# Altium PCB ActuatorControl_Board_v30.PcbDoc (part 3 of 3)
Units mil, origin at the board's own origin, x right, y up, seen from the top; angles counter-clockwise.
Board outline 3947.73 x 3947.73 mil, 2 copper layers (Top Layer, Bottom Layer); 150 components, 98 nets, 452 pads, 1502 vias.
Unrouted connection lines stored in the file: 26.
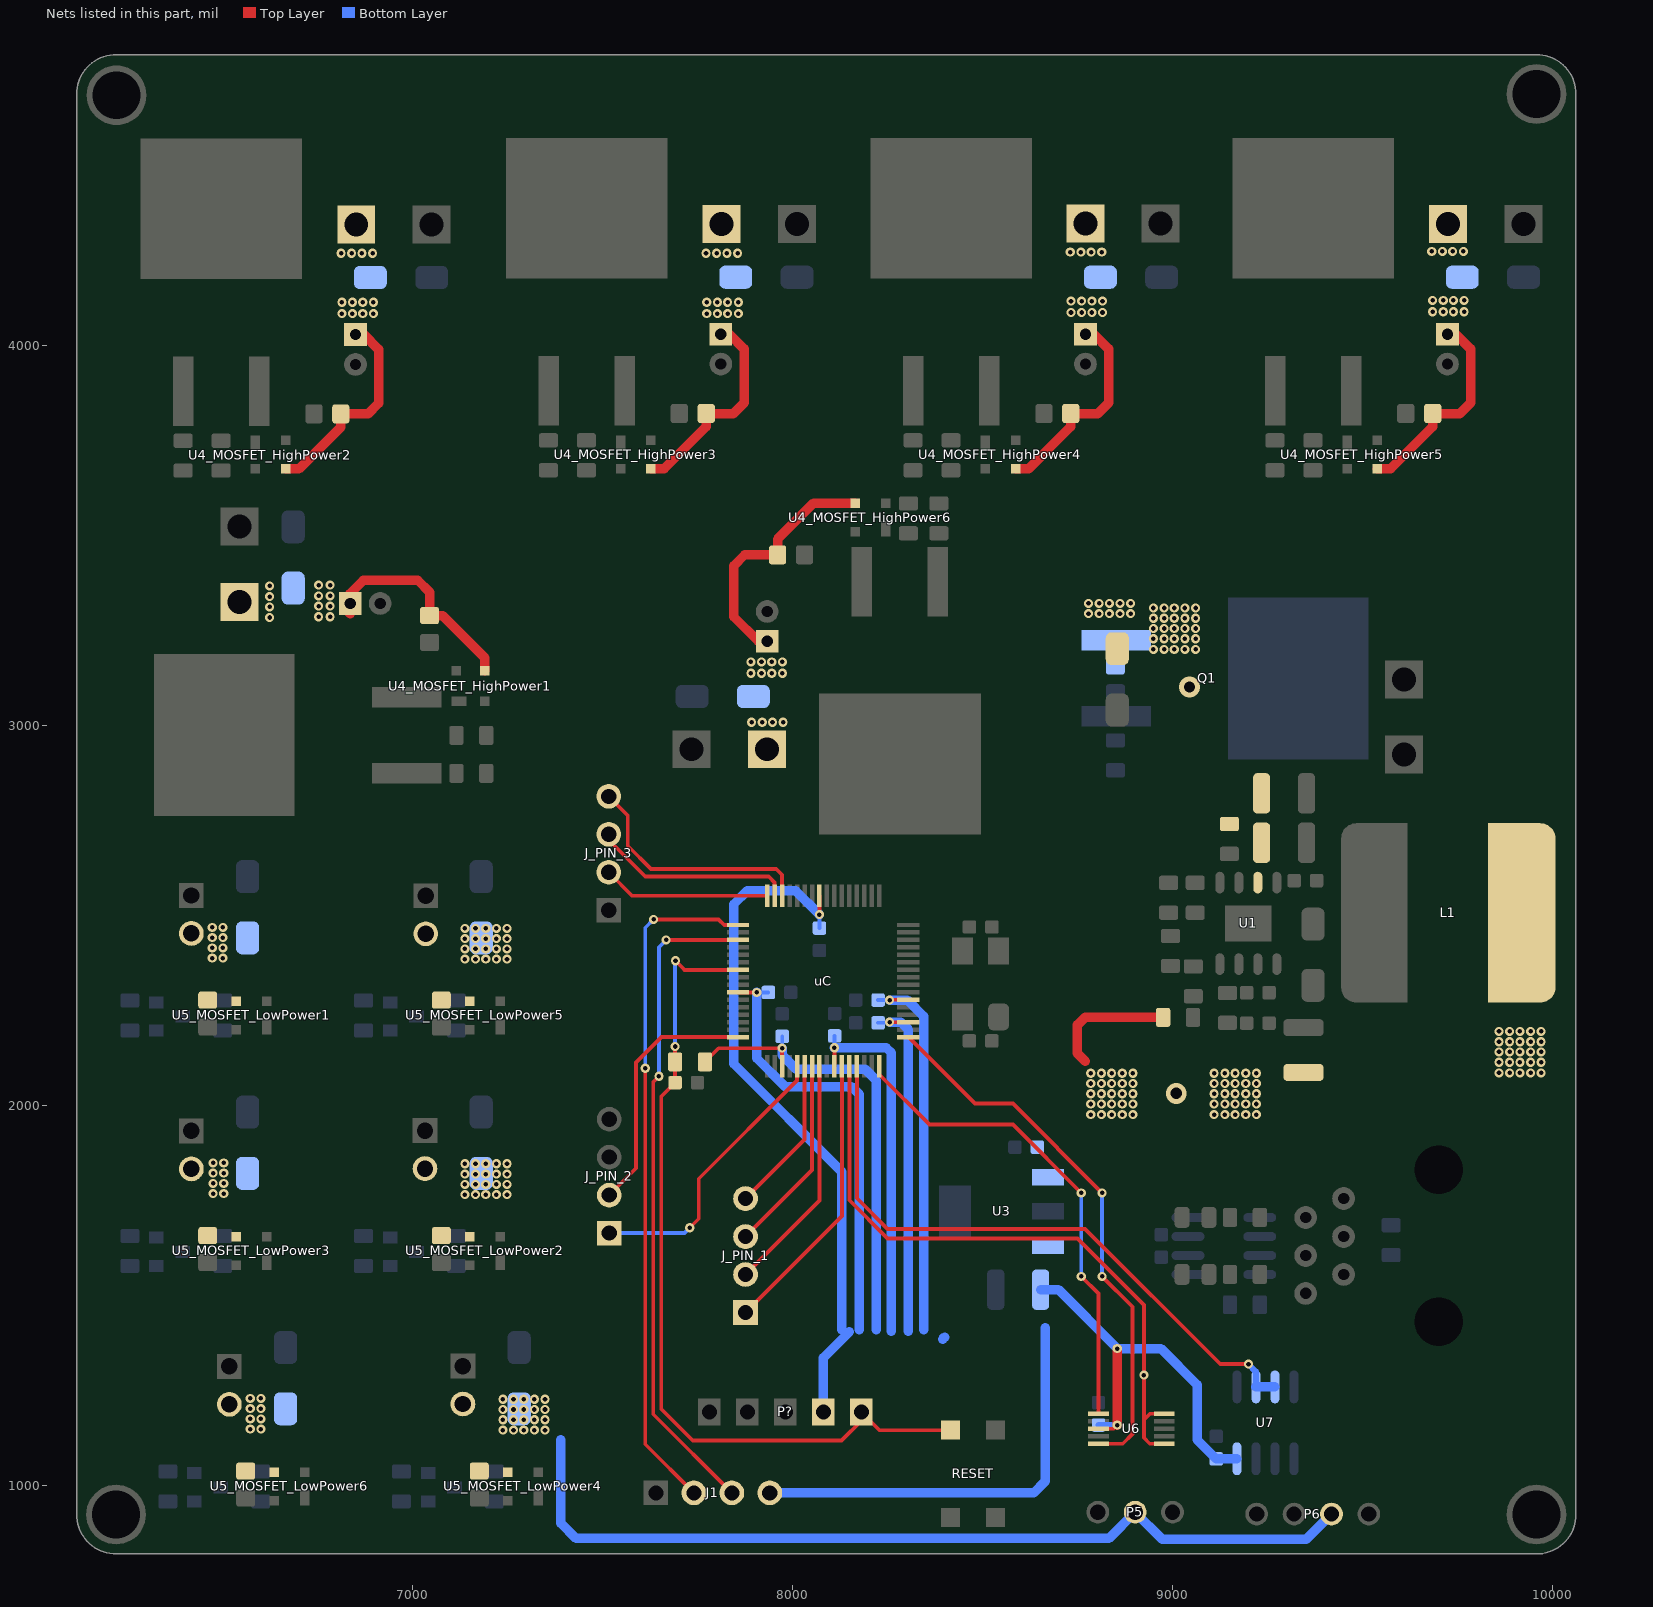
[diagram p3: the nets of this part, all layers, seen from the top]

## Via types
v1: diameter 24, hole 12, Top Layer to Bottom Layer, tented both sides, 1324 vias
v2: diameter 55, hole 30, Top Layer to Bottom Layer, tented both sides, 176 vias
v3: diameter 50, hole 30, Top Layer to Bottom Layer, 2 vias

## Nets (pads, with @x,y where several pads share a name; then routed paths per layer and width w, separated by ;. In a path a pad name is that pad's centre, name@x,y a point inside that pad or via, vN(x,y) a via of type N, cw(c..) or ccw(c..) an arc to the next point about the centre after c; other vN are vias at no path point) (continued)
PIN_16: J_PIN_2.2 uC.16 | length 674.3
  Top Layer w10: J_PIN_2.2@7517,1764 7588,1835 7588,2113 7655,2180 uC.16@7856.18,2180
PIN_21: J_PIN_2.1 uC.21 | length 763
  Top Layer w10: v1(7729,1678) 7753,1702 7753,1807 8011.69,2065.69 uC.21@8011.69,2103.23
  Bottom Layer w10: J_PIN_2.1@7519,1662 J_PIN_2.1@7517,1664 7715,1664 v1(7729,1678)
PIN_22: J_PIN_1.4 uC.22 | length 412.6
  Top Layer w10: J_PIN_1.4@7876,1755 8031.38,1910.38 uC.22@8031.38,2103.23
PIN_23: J_PIN_1.3 uC.23 | length 520.7
  Top Layer w10: J_PIN_1.3@7876,1655 8051.06,1830.06 uC.23@8051.06,2103.23
PIN_24: J_PIN_1.2 uC.24 | length 628.9
  Top Layer w10: J_PIN_1.2@7876,1555 8070.75,1749.75 uC.24@8070.75,2103.23
PIN_27: J_PIN_1.1 uC.27 | length 753.4
  Top Layer w10: J_PIN_1.1@7876,1455 8129.8,1708.8 uC.27@8129.8,2103.23
PIN_62: J_PIN_3.4 uC.62 | length 644.3
  Top Layer w10: J_PIN_3.4@7516,2814 7566,2764 7566,2684 7627,2623 7957,2623 7972.32,2607.68 uC.62@7972.32,2552.05
PIN_63: J_PIN_3.3 uC.63 | length 533.2
  Top Layer w10: J_PIN_3.3@7516,2714 7516,2699 7612,2603 7937,2603 7952.64,2587.36 uC.63@7952.64,2552.05
PIN_64: J_PIN_3.2 uC.64 | length 442.6
  Top Layer w10: J_PIN_3.2@7516,2614 7577.95,2552.05 uC.64@7932.95,2552.05
R\E\S\E\T\: C16.2 P?.1 R16.1 RESET.2 uC.7 | length 2231
  Top Layer w10: v1(7690.63,2155.37) R16.1@7690.63,2115 7690.63,2060.16 C16.2@7690.47,2060 7654,2023.53 7654,1201 7737,1118 8129,1118 8181,1170 P?.1@8181,1193 8229,1145 RESET.2@8415.94,1145 ; v1(7691.66,2381) 7715,2357.66 7715,2357.17 uC.7@7856.18,2357.17
  Bottom Layer w10: v1(7690.63,2155.37) 7690.63,2379.97 v1(7691.66,2381)
RS485-DIR: U7.2 U7.3 uC.29 | length 1677.8
  Top Layer w10: uC.29@8169.17,2103.23 8169.17,1755.83 8250,1675 8770,1675 9125.86,1319.14 v1(9200.37,1319.14)
  Bottom Layer w16: v1(9200.37,1319.14) 9220,1299.51 U7.2@9220,1258.98
  Bottom Layer w25: U7.2@9220,1258.98 U7.3@9270,1258.98
RXD: U6.6 uC.32 | length 1283
  Top Layer w10: uC.32@8228.23,2103.23 8228.23,2081.77 8360,1950 8580,1950 v1(8760,1770) ; v1(8760,1550) 8805.37,1504.63 U6.6@8805.37,1188.2
  Bottom Layer w10: v1(8760,1550) v1(8760,1770)
RXD0/PDI: J1.3 uC.3 | length 1746.2
  Top Layer w10: v1(7648,2077) 7633,2062 7633,1187 J1.3@7840,980 ; v1(7667.09,2435.91) uC.3@7856.18,2435.91 uC.3@7855.27,2435
  Bottom Layer w10: v1(7648,2077) 7648,2416.82 v1(7667.09,2435.91)
SERVO-SELECT: U6.1 U6.5 uC.28 | length 1712.5
  Top Layer w10: uC.28@8149.49,2103.23 8149.49,1750.51 8250,1650 8750,1650 8925,1475 v1(8925,1290) 8925,1172.4 ; U6.1@8978.6,1109.46 8940.54,1109.46 8925,1125 8925,1172.4 ; U6.5@8978.6,1188.2 8940.8,1188.2 8925,1172.4
TXD: U6.10 uC.33 | length 1448.2
  Top Layer w10: uC.33@8305,2180 8480,2005 8580,2005 v1(8815,1770) ; U6.10@8805.37,1109.46 8869.46,1109.46 8895,1135 8895,1470 v1(8815,1550)
  Bottom Layer w10: v1(8815,1550) v1(8815,1770)
TXD0/PDO: J1.2 uC.1 | length 1800.4
  Top Layer w10: v1(7612,2098) 7612,1108 J1.2@7740,980 ; v1(7634,2490) 7805.28,2490 7820,2475.28 uC.1@7856.18,2475.28
  Bottom Layer w10: v1(7612,2098) 7612,2468 v1(7634,2490)
VCC-3V3: C10.1 C14.2 C15.2 C19.2 C20.2 C21.2 C22.2 C23.2 C24.2 J1.4 P?.2 R16.2 U3.3 U6.8 U7.8 uC.10 uC.19 uC.26 uC.35 uC.38 uC.57 | length 9411.3
  Top Layer w10: R16.2@7769.37,2115 7805.28,2150.91 v1(7972.32,2150.91) uC.19@7972.32,2103.23 ; uC.10@7856.18,2298.11 7856.65,2297.64 v1(7905.59,2297.64) ; v1(8070.59,2502.64) 8070.59,2551.89 uC.57@8070.75,2552.05 ; uC.26@8109.59,2103.76 uC.26@8110.12,2103.23 v1(8110.12,2152.17) ; v1(8255.59,2219.37) uC.35@8305,2219.37 ; v1@8255.59,2278.43 uC.38@8305,2278.43 ; U6.8@8805.37,1148.83 8845.06,1148.83 v1(8854.9,1158.67)
  Top Layer w25: v1(8854.9,1158.67) v1(8854.9,1359.9)
  Bottom Layer w10: v1(7905.59,2297.64) C23.2@7936.06,2297.64 ; v1(7972.32,2150.91) 7972.59,2151.18 C19.2@7972.59,2182.11 ; C22.2@8070.59,2467.17 v1(8070.59,2502.64) ; v1(8110.12,2152.17) 8110.59,2152.64 C24.2@8110.59,2183.11 ; C21.2@8225.12,2217.64 8253.86,2217.64 v1(8255.59,2219.37) ; C20.2@8225.12,2277.64 v1(8255.59,2277.64)
  Bottom Layer w16: C14.2@8805.37,1158.67 v1(8854.9,1158.67)
  Bottom Layer w25: v1(7905.59,2297.64) 7905.59,2124.41 7980,2050 8155,2050 8175,2030 8175,1410 ; J1.4@7940,980 8635,980 8665,1010 8665,1415 ; v1(7972.32,2150.91) 7972.32,2132.68 8010,2095 8191.81,2095 8220,2066.81 8220,1410 ; v1(8070.59,2502.64) 8008.23,2565 7880,2565 7845,2530 7845,2110 8130,1825 8130,1410 ; P?.2@8081,1193 8081,1336 8149,1404 ; v1(8110.12,2152.17) 8246.57,2152.17 8260,2138.74 8260,1405 ; v1(8255.59,2219.37) 8285,2219.37 8304.68,2199.69 8304.68,1405 ; v1(8255.59,2277.64) 8302.36,2277.64 8345,2235 8345,1410 ; 8395,1385 8400,1390 ; C10.1@8653.05,1515.12 8699.68,1515.12 v1(8854.9,1359.9) ; v1@8855,1360 8969.51,1360 9065.37,1264.14 9065.37,1119.61 C15.2@9115.37,1069.61 9115.76,1070 U7.8@9170,1070
VCC-5V: C6.2 C9.2 L1.2 R2.2 U3.1 | length 337.2
  Top Layer w25: 8770,2117 8750,2137 8750,2212 8770,2232 R2.2@8975.63,2232
  other v1: 8785,1976 8813,1976 8840,1976 8868,1976 8896,1976 9110,1976 9138,1976 9165,1976 9193,1976 9221,1976 8785,2004 8813,2004 8840,2004 8868,2004 8896,2004 9110,2004 9138,2004 9165,2004 9193,2004 9221,2004 8785,2031 8813,2031 8840,2031 8868,2031 8896,2031 9110,2031 9138,2031 9165,2031 9193,2031 9221,2031 8785,2058 8813,2058 8840,2058 8868,2058 8896,2058 9110,2058 9138,2058 9165,2058 9193,2058 9221,2058 8785,2085 8813,2085 8840,2085 8868,2085 8896,2085 9110,2085 9138,2085 9165,2085 9193,2085 9221,2085 9860,2086 9888,2086 9915,2086 9943,2086 9971,2086 9860,2114 9888,2114 9915,2114 9943,2114 9971,2114 9860,2141 9888,2141 9915,2141 9943,2141 9971,2141 9860,2168 9888,2168 9915,2168 9943,2168 9971,2168 9860,2195 9888,2195 9915,2195 9943,2195 9971,2195
  other v2: 9010,2032
VCC-12V: C2.2 C3.2 C4.2 C11_MOSFET_HighPower1.1 C11_MOSFET_HighPower2.1 C11_MOSFET_HighPower3.1 C11_MOSFET_HighPower4.1 C11_MOSFET_HighPower5.1 C11_MOSFET_HighPower6.1 C12_MOSFET_HighPower1.2 C12_MOSFET_HighPower2.2 C12_MOSFET_HighPower3.2 C12_MOSFET_HighPower4.2 C12_MOSFET_HighPower5.2 C12_MOSFET_HighPower6.2 C13_MOSFET_LowPower1.2 C13_MOSFET_LowPower2.2 C13_MOSFET_LowPower3.2 C13_MOSFET_LowPower4.2 C13_MOSFET_LowPower5.2 C13_MOSFET_LowPower6.2 D3.1 D4_MOSFET_HighPower1.1 D4_MOSFET_HighPower2.1 D4_MOSFET_HighPower3.1 D4_MOSFET_HighPower4.1 D4_MOSFET_HighPower5.1 D4_MOSFET_HighPower6.1 D5_MOSFET_LowPower1.1 D5_MOSFET_LowPower2.1 D5_MOSFET_LowPower3.1 D5_MOSFET_LowPower4.1 D5_MOSFET_LowPower5.1 D5_MOSFET_LowPower6.1 J2_MOSFET_LowPower1.2 J2_MOSFET_LowPower2.2 J2_MOSFET_LowPower3.2 J2_MOSFET_LowPower4.2 J2_MOSFET_LowPower5.2 J2_MOSFET_LowPower6.2 P3_MOSFET_HighPower1.1 P3_MOSFET_HighPower2.1 P3_MOSFET_HighPower3.1 P3_MOSFET_HighPower4.1 P3_MOSFET_HighPower5.1 P3_MOSFET_HighPower6.1 P5.2 P6.2 Q1.3 R1.2 U1.2 U4_MOSFET_HighPower1.3 U4_MOSFET_HighPower2.3 U4_MOSFET_HighPower3.3 U4_MOSFET_HighPower4.3 U4_MOSFET_HighPower5.3 U4_MOSFET_HighPower6.3 U5_MOSFET_LowPower1.3 U5_MOSFET_LowPower2.3 U5_MOSFET_LowPower3.3 U5_MOSFET_LowPower4.3 U5_MOSFET_LowPower5.3 U5_MOSFET_LowPower6.3 | length 5847
  Top Layer w25: P3_MOSFET_HighPower1.1@6544,3306.57 P3_MOSFET_HighPower1.1@6546,3304.57 ; U4_MOSFET_HighPower2.3@6665,3676 6700,3676 6810.43,3786.43 C12_MOSFET_HighPower2.2@6810.43,3821 6882,3821 6910,3849 6910,3991 6871,4030 C11_MOSFET_HighPower2.1@6849,4030 ; C11_MOSFET_HighPower1.1@6823.26,3306.57 C11_MOSFET_HighPower1.1@6825.26,3304.57 ; C11_MOSFET_HighPower1.1@6835.26,3294.57 C11_MOSFET_HighPower1.1@6825.26,3304.57 ; P3_MOSFET_HighPower2.1@6849,4318 P3_MOSFET_HighPower2.1@6851,4320 ; U4_MOSFET_HighPower1.3@7189,3144.57 7189,3179.57 7078.57,3290 C12_MOSFET_HighPower1.2@7044,3290 7044,3352 7013,3383 6870,3383 6834,3347 6834,3304.57 C11_MOSFET_HighPower1.1@6825.26,3304.57 ; U4_MOSFET_HighPower3.3@7627,3677 7662,3677 7772.43,3787.43 C12_MOSFET_HighPower3.2@7772.43,3822 7844,3822 7872,3850 7872,3992 7833,4031 C11_MOSFET_HighPower3.1@7811,4031 ; P3_MOSFET_HighPower3.1@7811,4319 P3_MOSFET_HighPower3.1@7813,4321 ; C11_MOSFET_HighPower6.1@7933,3222.26 7909.74,3222.26 7845,3287 7845,3421 7874,3450 C12_MOSFET_HighPower6.2@7960.57,3450 7960.57,3491.57 8055,3586 U4_MOSFET_HighPower6.3@8165,3586 ; U4_MOSFET_HighPower4.3@8587,3677 8622,3677 8732.43,3787.43 C12_MOSFET_HighPower4.2@8732.43,3822 8804,3822 8832,3850 8832,3992 8793,4031 C11_MOSFET_HighPower4.1@8771,4031 ; P3_MOSFET_HighPower4.1@8747,4320 P3_MOSFET_HighPower4.1@8749,4322 ; P3_MOSFET_HighPower4.1@8771,4319 P3_MOSFET_HighPower4.1@8773,4321 ; U4_MOSFET_HighPower5.3@9540,3677 9575,3677 9685.43,3787.43 C12_MOSFET_HighPower5.2@9685.43,3822 9757,3822 9785,3850 9785,3992 9746,4031 C11_MOSFET_HighPower5.1@9724,4031 ; P3_MOSFET_HighPower5.1@9724,4319 P3_MOSFET_HighPower5.1@9726,4321
  Bottom Layer w25: 7390,1120 7390,900 7430,860 8832.8,860 P5.2@8901.94,929.14 8972.81,858.28 9352.93,858.28 P6.2@9418.8,924.14
  other v1: 7237,1145.5 7265,1145.5 7292,1145.5 7320,1145.5 7348,1145.5 6572,1148 6600,1148 7237,1172.5 7265,1172.5 7292,1172.5 7320,1172.5 7348,1172.5 6572,1175 6600,1175 7237,1199.5 7265,1199.5 7292,1199.5 7320,1199.5 7348,1199.5 6572,1202 6600,1202 7237,1226.5 7265,1226.5 7292,1226.5 7320,1226.5 7348,1226.5 6572,1229 6600,1229 7137,1765.5 7165,1765.5 7192,1765.5 7220,1765.5 7248,1765.5 6474,1768 6502,1768 7137,1792.5 7165,1792.5 7192,1792.5 7220,1792.5 7248,1792.5 6474,1795 6502,1795 7137,1819.5 7165,1819.5 7192,1819.5 7220,1819.5 7248,1819.5 6474,1822 6502,1822 7137,1846.5 7165,1846.5 7192,1846.5 7220,1846.5 7248,1846.5 6474,1849 6502,1849 7137,2385.5 7165,2385.5 7192,2385.5 7220,2385.5 7248,2385.5 6472,2388 6500,2388 7137,2412.5 7165,2412.5 7192,2412.5 7220,2412.5 7248,2412.5 6472,2415 6500,2415 7137,2439.5 7165,2439.5 7192,2439.5 7220,2439.5 7248,2439.5 6472,2442 6500,2442 7137,2466.5 7165,2466.5 7192,2466.5 7220,2466.5 7248,2466.5 6472,2469 6500,2469 7892,3009 7920,3009 7947,3009 7975,3009 7890,3138 7918,3138 7945,3138 7973,3138 7890,3168 7918,3168 7945,3168 7973,3168 8950,3201 8978,3201 9005,3201 9033,3201 9061,3201 8950,3229 8978,3229 9005,3229 9033,3229 9061,3229 8950,3256 8978,3256 9005,3256 9033,3256 9061,3256 8950,3283 8978,3283 9005,3283 9033,3283 9061,3283 6623,3285 6752,3287 6782,3287 8779,3295 8807,3295 8834,3295 8862,3295 8890,3295 8950,3310 8978,3310 9005,3310 9033,3310 9061,3310 6623,3313 6752,3315 6782,3315 8779,3322 8807,3322 8834,3322 8862,3322 8890,3322 6623,3340 6752,3342 6782,3342 6623,3368 6752,3370 6782,3370 6813,4085.04 6841,4085.04 6868,4085.04 6896,4085.04 7774,4085 7802,4085 7829,4085 7857,4085 8733,4088 8761,4088 8788,4088 8816,4088 9685,4090 9713,4090 9740,4090 9768,4090 6813,4115.04 6841,4115.04 6868,4115.04 6896,4115.04 7774,4115 7802,4115 7829,4115 7857,4115 8733,4118 8761,4118 8788,4118 8816,4118 9685,4120 9713,4120 9740,4120 9768,4120 6811,4244.04 6839,4244.04 6866,4244.04 6894,4244.04 7772,4244 7800,4244 7827,4244 7855,4244 8731,4247 8759,4247 8786,4247 8814,4247 9683,4249 9711,4249 9738,4249 9766,4249
  other v2: 9045,3102
pads on no net: P2.1 P2.6 P2.M1 P2.M2 RESET.0 U2.5 uC.5 uC.34 uC.36 uC.37 uC.42 uC.43 uC.44 uC.45 uC.46 uC.47 uC.48 uC.55 uC.58 uC.59 uC.60 uC.61
copper on no net:
  other v1: 8466,2090 8572,2094 8604,2096 8605,2130 8390,2163 8391,2256 9286.88,2450 9314.88,2450 9057,2451.1 9085,2451.1 9112,2451.1 9286.88,2477 9314.88,2477 9057,2478.1 9085,2478.1 9112,2478.1 8605,2482 9286.88,2504 9314.88,2504 9057,2505.1 9085,2505.1 9112,2505.1 8566,2519 8605,2520 8397,2527 8435,2527

## Polygon pours and split planes (outlines as drawn)
GND on Top Layer "GND_TOP_POLY" (solid, remove dead copper, pour order 2): 6135,4585 6130,4580 6130,985 6155,985 6300,840 9900,840 9900,850 10045,995 10040,1000 10040,4605 10030,4605 9890,4745 6285,4745 6285,4740 6130,4585
GND on Bottom Layer "GND_BOTTOM_POLY" (solid, remove dead copper, pour order 0): 6135,4620 6135,965 6260,840 9930,840 10040,950 10040,4635 9930,4745 6260,4745

## Keep-outs
Keep-Out Layer:
  lines w10: 6119.91,924.02 ccw(c6218.68,922.93) 6219.51,824.16 ; 6119.91,4662.25 cw(c6218.68,4663.09) 6219.77,4761.85 ; 6120.25,923.42 6120.25,4662.59 ; 6219.17,824.5 9958.09,824.5 ; 6219.17,4761.51 9960.49,4761.51 ; 9957.74,824.16 ccw(c9958.83,922.93) 10057.6,923.77 ; 9958,4761.86 cw(c9958.83,4663.09) 10057.6,4662 ; 10057.26,923.68 10057.26,4664.74

## Other copper
Top Layer:
  pour cut-out: 8650,2530 8610,2570 8610,2550 8630,2530
  pour cut-out: 8610,2550 8610,2570 8390,2570 8390,2550
  pour cut-out: 8630,2090 8650,2090 8650,2530 8630,2530
  pour cut-out: 8455,2050 8610,2050 8650,2090 8630,2090 8610,2070 8455,2070
  region net VCC-12V: 7979,2878 7989,2888 7989,3248 7979,3258 7882.37,3258 7874,3249.63 7874,3128 7844,3098 7844,3047.88 7874,3017.88 7874,2888 7884,2878
  region net NetD4_MOSFET_HighPower6_2: 7805,2990.88 7775,3020.88 7775,3096 7765,3106 7705,3106 7695,3096 7695,3021 7665,2991 7665,2866 7655,2856 7655,2756 7665,2746 8050,2746 8075.83,2720.17 8075.83,2881.83 8050,2856 7815,2856 7805,2866
  region: 8075,3171 8065,3161 8065,2721 8080,2706 8490,2706 8505,2721 8505,3161 8495,3171
  region net GND: 8485,2270 8475,2280 8380,2280 8370,2270 8370,2155 8455,2070 8610,2070 8630,2090 8630,2530 8610,2550 8390,2550 8370,2530 8370,2380 8380,2370 8390,2370 8400,2380 8400,2490 8410,2500 8410.47,2499.53 8495.47,2499.53 8505,2490 8505,2363.75 8585,2293.75 8585,2140 8570.37,2125 8500,2125 8485,2140
  region net NetD4_MOSFET_HighPower2_2: 6979,4389.88 6979,4265 7009,4235 7009,4159.88 7019,4149.88 7079,4149.88 7089,4159.88 7089,4234.88 7119,4264.88 7119,4389.88 7129,4399.88 7129,4499.88 7119,4509.88 6734,4510 6719.12,4524.88 6702,4524.88 6702,4367.88 6734,4399.88 6969,4399.88
  region net VCC-12V: 6804,4375 6794,4365 6794,4005 6804,3995 6900.63,3995 6909,4003.37 6909,4125 6939,4155 6939,4205.12 6909,4235.12 6909,4365 6899,4375
  region net NetD4_MOSFET_HighPower3_2: 7941,4390.88 7941,4266 7971,4236 7971,4160.88 7981,4150.88 8041,4150.88 8051,4160.88 8051,4235.88 8081,4265.88 8081,4390.88 8091,4400.88 8091,4500.88 8081,4510.88 7696,4511 7672.56,4534.44 7660,4539 7664,4368.88 7696,4400.88 7931,4400.88
  region net VCC-12V: 7766,4376 7756,4366 7756,4006 7766,3996 7862.63,3996 7871,4004.37 7871,4126 7901,4156 7901,4206.12 7871,4236.12 7871,4366 7861,4376
  region net NetD4_MOSFET_HighPower4_2: 8901,4390.88 8901,4266 8931,4236 8931,4160.88 8941,4150.88 9001,4150.88 9011,4160.88 9011,4235.88 9041,4265.88 9041,4390.88 9051,4400.88 9051,4500.88 9041,4510.88 8656,4511 8641.12,4525.88 8624,4525.88 8624,4368.88 8656,4400.88 8891,4400.88
  region net VCC-12V: 8726,4376 8716,4366 8716,4006 8726,3996 8822.63,3996 8831,4004.37 8831,4126 8861,4156 8861,4206.12 8831,4236.12 8831,4366 8821,4376
  region net VCC-12V: 9285,2936 9285,3041.85 9191,3056 9191,3042 9200,3033 9200,2936
  region net VCC-12V: 6490,1252 6475,1237 6475,1137 6490,1122 7258.86,1122 7260,1123.14 7261.14,1122 7372,1122 7380,1130 7380,1240 7370,1250 7370,1252
  region net VCC-12V: 6395,1872 6380,1857 6380,1757 6395,1742 7163.86,1742 7165,1743.14 7166.14,1742 7277,1742 7285,1750 7285,1860 7275,1870 7275,1872
  region net VCC-12V: 6390,2492 6375,2477 6375,2377 6390,2362 7158.86,2362 7160,2363.14 7161.14,2362 7272,2362 7280,2370 7280,2480 7270,2490 7270,2492
  region net OSC2: 8422.5,2365 8417.5,2370 8417.5,2482.5 8425,2490 8480,2490 8485,2485 8485,2372.5 8477.5,2365
  region net OSC1: 8510,2137.81 8505,2142.82 8505,2267.82 8510,2272.81 8564.37,2272.81 8570,2267.19 8570,2142.82 8565,2137.82
  region net VCC-12V: 6489.12,3278 6499.12,3268 6859.12,3268 6869.12,3278 6869.12,3368 6854.12,3383 6739.12,3383 6709.12,3413 6659,3413 6629,3383 6499.12,3383 6489.12,3373
  region net VCC-12V: 9679,4376 9669,4366 9669,4006 9679,3996 9775.63,3996 9784,4004.37 9784,4126 9814,4156 9814,4206.12 9784,4236.12 9784,4366 9774,4376
  region net VCC-5V: 8779.79,2147.08 8734.95,2109.7 8734.95,1956.47 8769.42,1922 8770,1922 8770,1921.42 8775,1916.42 9883.28,1916.42 10015,2048.14 10015,2717 9985,2747 9835,2747 9810,2722 9810,2272.79 9684.29,2147.08
  region net NetC1_2: 9275,2402 9260,2387 9260,2352 9275,2337 9320,2337 9330,2327 9330,2282 9351.13,2260.87 9633.87,2260.87 9670,2297 9670,2722 9645,2747 9470,2747 9440,2717 9440,2632 9430,2622 9370,2622 9360,2612 9360,2577 9370,2567 9430,2567 9440,2557 9440,2407 9435,2402 9271.02,2402 9270,2400.98
  region net NetP1_2: 9662.5,3042.5 9662.5,3327 9637.5,3352 9352.94,3352 9312.94,3312 9312.94,2929 9339.94,2902 9507.5,2902 9534,2928.5 9534,3024 9542,3032 9652,3032
  region net GND: 8950.63,2532 8960,2542 9395,2542 9405,2532 9405,2427 9394.68,2416.68 8960.32,2416.68 8950.63,2426.37
  region net VCC-12V: 9256,2991 9285,2962 9285,2667 9240,2622 9240,2562 9235,2557 9215,2557 9210,2562 9210,2697 9195,2712 9130,2712 9120,2722 9120,2757 9130,2767 9180,2767 9200,2787 9200,2977 9214,2991
  region net NetC2_1: 8760,3107 8745,3092 8745,2957 8760,2942 8940,2942 8955,2957 8955,3092 8940,3107
  region net VCC-12V: 8760,3137 8745,3152 8745,3322 8760,3337 9270,3337 9285,3322 9285,3042 9055,3042 8960,3137 9187.75,3135.28
  region net VCC-12V: 7220,2477 7205,2492 7005,2492 6990,2477 6990,2377 7005,2362 7025,2362 7040,2347 7040,2262 7055,2247 7155,2247 7170,2262 7170,2373.14 7185,2388.14 7206.14,2388.14 7220,2402
  region net VCC-12V: 6605,2477 6590,2492 6390,2492 6375,2477 6375,2377 6390,2362 6410,2362 6425,2347 6425,2262 6440,2247 6540,2247 6555,2262 6555,2373.14 6570,2388.14 6591.14,2388.14 6605,2402
  region net VCC-12V: 7220,1857 7205,1872 7005,1872 6990,1857 6990,1757 7005,1742 7025,1742 7040,1727 7040,1642 7055,1627 7155,1627 7170,1642 7170,1753.14 7185,1768.14 7206.14,1768.14 7220,1782
  region net VCC-12V: 6605,1857 6590,1872 6390,1872 6375,1857 6375,1757 6390,1742 6410,1742 6425,1727 6425,1642 6440,1627 6540,1627 6555,1642 6555,1753.14 6570,1768.14 6591.14,1768.14 6605,1782
  region net VCC-12V: 7320,1237 7305,1252 7105,1252 7090,1237 7090,1137 7105,1122 7125,1122 7140,1107 7140,1022 7155,1007 7255,1007 7270,1022 7270,1133.14 7285,1148.14 7306.14,1148.14 7320,1162
  region net VCC-12V: 6705,1237 6690,1252 6490,1252 6475,1237 6475,1137 6490,1122 6510,1122 6525,1107 6525,1022 6540,1007 6640,1007 6655,1022 6655,1133.14 6670,1148.14 6691.14,1148.14 6705,1162
  region net NetD4_MOSFET_HighPower5_2: 9164,4554 9154,4544 9154,4104 9169,4089 9585.34,4089 9585.34,4095.34 9594,4104 9594,4544 9584,4554
  region net NetD4_MOSFET_HighPower4_2: 8207.71,4552 8197.71,4542 8197.71,4102 8212.71,4087 8622.71,4087 8637.71,4102 8637.71,4542 8627.71,4552
  region net NetD4_MOSFET_HighPower3_2: 7242.71,4552 7232.71,4542 7232.71,4102 7247.71,4087 7664.05,4087 7664.05,4093.34 7672.71,4102 7672.71,4542 7662.71,4552
  region net NetD4_MOSFET_HighPower1_2: 6304,2765.28 6314,2755.28 6754,2755.28 6769,2770.28 6769,3186.61 6762.66,3186.61 6754,3195.28 6314,3195.28 6304,3185.28
  region net NetD4_MOSFET_HighPower1_2: 6475,3453.83 6599.88,3453.83 6629.88,3483.83 6705,3483.83 6715,3493.83 6715,3553.83 6705,3563.83 6630,3563.83 6600,3593.83 6475,3593.83 6465,3603.83 6365,3603.83 6355,3593.83 6354.88,3208.83 6340,3193.95 6340,3178 6495.83,3178 6465,3208.83 6465,3443.83
  region net NetD4_MOSFET_HighPower5_2: 9854,4390.88 9854,4266 9884,4236 9884,4160.88 9894,4150.88 9954,4150.88 9964,4160.88 9964,4235.88 9994,4265.88 9994,4390.88 10004,4400.88 10004,4500.88 9994,4510.88 9609,4511 9594.12,4525.88 9577,4525.88 9577,4368.88 9609,4400.88 9844,4400.88
  region net NetD4_MOSFET_HighPower2_2: 6290,4553 6280,4543 6280,4103 6295,4088 6711.34,4088 6711.34,4094.34 6720,4103 6720,4543 6710,4553
Bottom Layer:
  pour cut-out: 8455,2070 8455,2050 8370,2135 8370,2155
  pour cut-out: 8630,2090 8650,2090 8610,2050 8610,2070
  pour cut-out: 8390,2550 8390,2570 8350,2530 8370,2530
  pour cut-out: 8630,2530 8650,2530 8610,2570 8610,2550
  pour cut-out: 8370,2530 8350,2530 8350,2270 8370,2270
  pour cut-out: 8610,2550 8610,2570 8390,2570 8390,2550
  pour cut-out: 8630,2090 8650,2090 8650,2530 8630,2530
  pour cut-out: 8455,2070 8455,2060 8455,2050 8610,2050 8610,2070
  region net VCC-12V: 7927.98,3257.88 7801.29,3258 7781.29,3278 7781.29,3392 7801.29,3412 7801.29,3453 7641.29,3453 7641.29,3412 7661.29,3392 7661.29,3193 7681.29,3173 7863,3173 7874,3165 7927.98,3181.32
  region net NetD5_MOSFET_LowPower1_2: 6351,2500 6365,2514 6452,2514 6491,2553 6591,2553 6606,2568 6605.43,2568.57 6605.43,2643 6604.86,2643 6589.86,2658 6300,2658 6282,2640 6282,2336 6283,2336 6296,2323 6331,2323 6366,2288 6366,2218 6376,2208 6416,2208 6426,2218 6426,2293 6351,2368
  region net NetD5_MOSFET_LowPower5_2: 6967.07,2497 6981.07,2511 7068.07,2511 7107.07,2550 7207.07,2550 7222.07,2565 7221.5,2565.57 7221.5,2640 7220.93,2640 7205.93,2655 6916.07,2655 6898.07,2637 6898.07,2333 6899.07,2333 6912.07,2320 6947.07,2320 6982.07,2285 6982.07,2215 6992.07,2205 7032.07,2205 7042.07,2215 7042.07,2290 6967.07,2365
  region net NetD5_MOSFET_LowPower3_2: 6350,1880 6364,1894 6451,1894 6490,1933 6590,1933 6605,1948 6604.43,1948.57 6604.43,2023 6603.86,2023 6588.86,2038 6299,2038 6281,2020 6281,1716 6282,1716 6295,1703 6330,1703 6365,1668 6365,1598 6375,1588 6415,1588 6425,1598 6425,1673 6350,1748
  region net NetD5_MOSFET_LowPower2_2: 6965.5,1880 6979.5,1894 7066.5,1894 7105.5,1933 7205.5,1933 7220.5,1948 7219.93,1948.57 7219.93,2023 7219.36,2023 7204.36,2038 6914.5,2038 6896.5,2020 6896.5,1716 6897.5,1716 6910.5,1703 6945.5,1703 6980.5,1668 6980.5,1598 6990.5,1588 7030.5,1588 7040.5,1598 7040.5,1673 6965.5,1748
  region net NetD5_MOSFET_LowPower4_2: 7065,1259 7079,1273 7166,1273 7205,1312 7305,1312 7320,1327 7319.43,1327.57 7319.43,1402 7318.86,1402 7303.86,1417 7014,1417 6996,1399 6996,1095 6997,1095 7010,1082 7045,1082 7080,1047 7080,977 7090,967 7130,967 7140,977 7140,1052 7065,1127
  region net NetD5_MOSFET_LowPower6_2: 6450,1259 6464,1273 6551,1273 6590,1312 6690,1312 6705,1327 6704.43,1327.57 6704.43,1402 6703.86,1402 6688.86,1417 6399,1417 6381,1399 6381,1095 6382,1095 6395,1082 6430,1082 6465,1047 6465,977 6475,967 6515,967 6525,977 6525,1052 6450,1127
  region net VCC-12V: 9085,3314.46 9085,3390.67 9137,3434 8700,3434 8745,3389 8745,3319
  region net VCC-12V: 7844,3098 7844,3047.88 7874,3017.88 7874,2888 7884,2878 7979,2878 7989,2888 7989,3248 7979,3258 7882.37,3258 7874,3249.63 7874,3128
  region net NetD4_MOSFET_HighPower6_2: 7805,2866 7805,2990.88 7775,3020.88 7775,3096 7765,3106 7705,3106 7695,3096 7695,3021 7665,2991 7665,2866 7655,2856 7655,2756 7665,2746 8050,2746 8075.83,2720.17 8075.83,2881.83 8050,2856 7815,2856
  region: 8065,3161 8065,2721 8080,2706 8490,2706 8505,2721 8505,3161 8495,3171 8075,3171
  region net NetD4_MOSFET_HighPower2_2: 6979,4390 6979,4265.12 7009,4235.12 7009,4160 7019,4150 7079,4150 7089,4160 7089,4235 7119,4265 7119,4390 7129,4400 7129,4500 7119,4510 6734,4510 6708.17,4535.83 6708.17,4374.17 6734,4400 6969,4400
  region net VCC-12V: 6804,4375 6794,4365 6794,4005 6804,3995 6900.63,3995 6909,4003.37 6909,4125 6939,4155 6939,4205 6909,4235 6909,4365 6899,4375
  region net NetD4_MOSFET_HighPower3_2: 7941,4391 7941,4266.12 7971,4236.12 7971,4161 7981,4151 8041,4151 8051,4161 8051,4236 8081,4266 8081,4391 8091,4401 8091,4501 8081,4511 7696,4511 7670.17,4536.83 7670.17,4375.17 7696,4401 7931,4401
  region net VCC-12V: 7766,4376 7756,4366 7756,4006 7766,3996 7862.63,3996 7871,4004.37 7871,4126 7901,4156 7901,4206 7871,4236 7871,4366 7861,4376
  region net NetD4_MOSFET_HighPower4_2: 8901,4391 8901,4266.12 8931,4236.12 8931,4161 8941,4151 9001,4151 9011,4161 9011,4236 9041,4266 9041,4391 9051,4401 9051,4501 9041,4511 8656,4511 8630.17,4536.83 8630.17,4375.17 8656,4401 8891,4401
  region net VCC-12V: 8726,4376 8716,4366 8716,4006 8726,3996 8822.63,3996 8831,4004.37 8831,4126 8861,4156 8861,4206 8831,4236 8831,4366 8821,4376
  region net VCC-12V: 9985,3612 9965,3632 7115,3632 7095,3612 7095,3435 7118,3412 9965,3412 9985,3432
  region net VCC-12V: 6390,2492 6375,2477 6375,2377 6390,2362 6592,2362 6605,2375 6605,2477 6590,2492
  region net VCC-12V: 6390,1872 6375,1857 6375,1757 6390,1742 6592,1742 6605,1755 6605,1857 6590,1872
  region net VCC-12V: 6490,1252 6475,1237 6475,1137 6490,1122 6692,1122 6705,1135 6705,1237 6690,1252
  region net VCC-3V3: 8715,1665 8720,1660 8720,1460 8715,1455 8630,1455 8625,1460 8625,1660 8630,1665
  region net VCC-3V3: 8625,1475 8720,1475 8720,1385 8705,1370 8130,1370 8115,1385 8115,1419.81 8130,1430 8610,1430 8625,1445
  region net VCC-5V: 8685,1935 8685,1845 8720,1845 8749.63,1874.63 8860,1985 8860,2010 8744.95,2010 8670.45,1935.5
  region net GND: 8610,2070 8630,2090 8630,2530 8610,2550 8390,2550 8370,2530 8370,2155 8455,2070
  region net GND: 7890.59,2497.64 7910.59,2517.64 8010.59,2517.64 8025.59,2502.64 8025.59,2442.64 8040.59,2427.64 8100.59,2427.64 8115.59,2442.64 8115.59,2502.64 8130.59,2517.64 8250.59,2517.64 8265.59,2502.64 8265.59,2322.64 8250.59,2307.64 8200.59,2307.64 8185.59,2292.64 8185.59,2207.64 8175.59,2197.64 8150.59,2197.64 8125.59,2222.64 8095.59,2222.64 8075.59,2202.64 8075.59,2147.64 8060.59,2132.64 8020.59,2132.64 8005.59,2147.64 8005.59,2202.64 7985.59,2222.64 7960.59,2222.64 7950.59,2232.64 7950.59,2252.64 7975.59,2277.64 7975.59,2312.64 7960.59,2327.64 7960.12,2327.17 7906.06,2327.17 7890.59,2342.64
  region net GND: 8714,1751 8719,1746 8719,1698 8714,1693 8627,1693 8604,1670 8604,1461 8599,1456 8379,1456 8374,1461 8374,1926 8382.5,1934.5 8597.5,1934.5 8604,1928 8604,1774 8627,1751
  region net VCC-5V: 8715.95,1781.5 8720,1785.55 8720,1931.5 8715,1936.5 8630,1936.5 8625,1931.5 8625,1786.5 8630,1781.5
  region net VCC-12V: 6869,3356.91 6869,3430.28 6889,3450.28 7067,3450.28 7118,3412 7120.5,3570.28 7059,3570.28 6804,3570.28 6784,3550.28 6784,3390 6776,3382 6776,3359.28
  region net VCC-12V: 6827.66,3995.06 6955.34,3994.94 6974.34,3975.94 6974.34,3593 6954.34,3570 6954.34,3525.94 7114.34,3525.94 7114.34,3632 7094.34,3652 7094.34,4060.94 7074.34,4080.94 6918,4080.94 6907.47,4091.47 6827.66,4072.62
  region net VCC-12V: 9697.66,3996.06 9824.34,3995.94 9844.34,3975.94 9844.34,3650.94 9824.34,3630.94 9824.34,3610.94 9985,3610.94 9985,3630.28 9964.34,3650.94 9964.34,4060.94 9944.34,4080.94 9794.06,4080.94 9784,4091 9697.66,4072.62
  region net VCC-12V: 8746.02,3996.06 8873.77,3995.94 8892.71,3977 8892.71,3652 8872.71,3632 8872.71,3612 9032.71,3612 9032.71,3632 9012.71,3652 9012.71,4062 8992.71,4082 8842,4082 8831,4093 8746.02,4073.68
  region net VCC-12V: 7791.02,3996.07 7918.76,3995.95 7937.71,3977 7937.71,3652 7917.71,3632 7917.71,3612 8077.71,3612 8077.71,3632 8057.71,3652 8057.71,4062 8037.71,4082 7883,4082 7871,4094 7791.02,4073.68
  region: 10015,2215.86 10015,2048.14 9883.28,1916.42 8775,1916.42 8734.95,1956.47 8734.95,2109.7 8779.79,2147.08 9684.29,2147.08 9788,2250.79 9981.32,2250.79
  region net GND: 8960.32,2416.68 8950.63,2426.37 8950.63,2532 8960,2542 9395,2542 9405,2532 9405,2427 9394.68,2416.68
  region net NetP1_2: 9662.5,3042 9662.5,3327 9637.5,3352 9132.5,3352 9107.5,3327 9107.5,2927 9132.5,2902 9507.5,2902 9532.5,2927 9532.5,3022 9542.5,3032 9652.5,3032
  region net NetC2_1: 8760,3107 8940,3107 8955,3092 8955,2957 8940,2942 8760,2942 8745,2957 8745,3092
  region net VCC-12V: 9085,3322 9070,3337 8760,3337 8745,3322 8745,3152 8760,3137 8960,3137 9055,3042 9070,3042 9085,3057
  region net VCC-12V: 7371,1252 7393,1274 7393,1105 7388,1105 7371,1122 7253,1122 7253,1252
  region net VCC-12V: 7280,1570 7380,1470 7380,1113 7393,1100 7540,1100 7570,1130 7570,1470 7470,1570
  region net NetD5_MOSFET_LowPower4_2: 7090,1080 7080,1070 7080,980 7090,970 7125,970 7134.69,980 7134.69,1000.32 7120,1015 7120,1070 7110,1080
  region net NetD5_MOSFET_LowPower2_2: 6990,1700 6980,1690 6980,1600 6990,1590 7025,1590 7034.69,1600 7034.69,1620.32 7020,1635 7020,1690 7010,1700
  region net VCC-12V: 7271,1872 7293,1894 7293,1725 7288,1725 7271,1742 7153,1742 7153,1872
  region net VCC-12V: 7270,2492 7292,2514 7292,2345 7287,2345 7270,2362 7152,2362 7152,2492
  region net VCC-12V: 7232,3427 7280,3379 7280,1570 7300,1550 7450,1550 7470,1570 7470,3379 7518,3427
  region net VCC-12V: 7220,2477 7205,2492 7005,2492 6990,2477 6990,2377 7005,2362 7160,2362 7160,2363.14 7185,2388.14 7206.14,2388.14 7220,2402
  region net NetQ3_MOSFET_LowPower5_1: 6840,2212 6850,2222 6955,2222 6980,2197 7080,2197 7080,2212 7090,2222 7135,2222 7145,2212 7145,2182 7135,2172 6850,2172 6840,2182
  region net NetR15_MOSFET_LowPower5_1: 7085,2262 7095,2252 7135,2252 7145,2262 7145,2282 7153.74,2290.74 7153.74,2292 7204,2292 7205,2291 7215,2301 7215,2317 7205,2327 7095,2327 7085,2317
  region net GND: 6840,2292 6850,2302 6895,2302 6905,2292 6954.69,2292 6964.69,2282 6965,2282 6965,2262 6955,2252 6850,2252 6840,2262
  region net NetQ3_MOSFET_LowPower1_1: 6225,2212 6235,2222 6340,2222 6365,2197 6465,2197 6465,2212 6475,2222 6520,2222 6530,2212 6530,2182 6520,2172 6235,2172 6225,2182
  region net NetR15_MOSFET_LowPower1_1: 6470,2262 6480,2252 6520,2252 6530,2262 6530,2282 6538.74,2290.74 6538.74,2292 6589,2292 6590,2291 6600,2301 6600,2317 6590,2327 6480,2327 6470,2317
  region net GND: 6225,2292 6235,2302 6280,2302 6290,2292 6339.69,2292 6349.69,2282 6350,2282 6350,2262 6340,2252 6235,2252 6225,2262
  region net VCC-12V: 7220,1857 7205,1872 7005,1872 6990,1857 6990,1757 7005,1742 7160,1742 7160,1743.14 7185,1768.14 7206.14,1768.14 7220,1782
  region net NetQ3_MOSFET_LowPower2_1: 6840,1592 6850,1602 6955,1602 6980,1577 7080,1577 7080,1592 7090,1602 7135,1602 7145,1592 7145,1562 7135,1552 6850,1552 6840,1562
  region net NetR15_MOSFET_LowPower2_1: 7085,1642 7095,1632 7135,1632 7145,1642 7145,1662 7153.74,1670.74 7153.74,1672 7204,1672 7205,1671 7215,1681 7215,1697 7205,1707 7095,1707 7085,1697
  region net GND: 6840,1672 6850,1682 6895,1682 6905,1672 6954.69,1672 6964.69,1662 6965,1662 6965,1642 6955,1632 6850,1632 6840,1642
  region net NetQ3_MOSFET_LowPower3_1: 6225,1592 6235,1602 6340,1602 6365,1577 6465,1577 6465,1592 6475,1602 6520,1602 6530,1592 6530,1562 6520,1552 6235,1552 6225,1562
  region net NetR15_MOSFET_LowPower3_1: 6470,1642 6480,1632 6520,1632 6530,1642 6530,1662 6538.74,1670.74 6538.74,1672 6589,1672 6590,1671 6600,1681 6600,1697 6590,1707 6480,1707 6470,1697
  region net GND: 6225,1672 6235,1682 6280,1682 6290,1672 6339.69,1672 6349.69,1662 6350,1662 6350,1642 6340,1632 6235,1632 6225,1642
  region net VCC-12V: 7320,1237 7305,1252 7105,1252 7090,1237 7090,1137 7105,1122 7260,1122 7260,1123.14 7285,1148.14 7306.14,1148.14 7320,1162
  region net NetQ3_MOSFET_LowPower4_1: 6940,972 6950,982 7055,982 7080,957 7180,957 7180,972 7190,982 7235,982 7245,972 7245,942 7235,932 6950,932 6940,942
  region net NetR15_MOSFET_LowPower4_1: 7185,1022 7195,1012 7235,1012 7245,1022 7245,1042 7253.74,1050.74 7253.74,1052 7304,1052 7305,1051 7315,1061 7315,1077 7305,1087 7195,1087 7185,1077
  region net GND: 6940,1052 6950,1062 6995,1062 7005,1052 7054.69,1052 7064.69,1042 7065,1042 7065,1022 7055,1012 6950,1012 6940,1022
  region net GND: 6325,1052 6335,1062 6380,1062 6390,1052 6439.69,1052 6449.69,1042 6450,1042 6450,1022 6440,1012 6335,1012 6325,1022
  region net NetR15_MOSFET_LowPower6_1: 6570,1022 6580,1012 6620,1012 6630,1022 6630,1042 6638.74,1050.74 6638.74,1052 6689,1052 6690,1051 6700,1061 6700,1077 6690,1087 6580,1087 6570,1077
  region net NetQ3_MOSFET_LowPower6_1: 6325,972 6335,982 6440,982 6465,957 6565,957 6565,972 6575,982 6620,982 6630,972 6630,942 6620,932 6335,932 6325,942
  region net VCC-12V: 9679,4376 9669,4366 9669,4006 9679,3996 9775.63,3996 9784,4004.37 9784,4126 9814,4156 9814,4206 9784,4236 9784,4366 9774,4376
  region net VCC-12V: 6489.12,3278 6499.12,3268 6859.12,3268 6869.12,3278 6869.12,3374.63 6860.75,3383 6739.12,3383 6709.12,3413 6659.12,3413 6629.12,3383 6499.12,3383 6489.12,3373
  region net NetD4_MOSFET_HighPower3_2: 7232.71,4542 7232.71,4102 7247.71,4087 7657.71,4087 7672.71,4102 7672.71,4542 7662.71,4552 7242.71,4552
  region net NetD4_MOSFET_HighPower4_2: 8197.71,4542 8197.71,4102 8212.71,4087 8622.71,4087 8637.71,4102 8637.71,4542 8627.71,4552 8207.71,4552
  region net NetD4_MOSFET_HighPower5_2: 9154,4544 9154,4104 9169,4089 9579,4089 9594,4104 9594,4544 9584,4554 9164,4554
  region net NetD4_MOSFET_HighPower1_2: 6314,2755.28 6754,2755.28 6769,2770.28 6769,3180.28 6754,3195.28 6314,3195.28 6304,3185.28 6304,2765.28
  region net NetD4_MOSFET_HighPower1_2: 6475,3453.83 6599.88,3453.83 6629.88,3483.83 6705,3483.83 6715,3493.83 6715,3553.83 6705,3563.83 6630,3563.83 6600,3593.83 6475,3593.83 6465,3603.83 6365,3603.83 6355,3593.83 6355,3208.95 6340,3193.95 6311.83,3182 6491.95,3182 6465,3208.95 6465,3443.83
  region net NetD4_MOSFET_HighPower5_2: 9854,4391 9854,4266.12 9884,4236.12 9884,4161 9894,4151 9954,4151 9964,4161 9964,4236 9994,4266 9994,4391 10004,4401 10004,4501 9994,4511 9609,4511 9583.17,4536.83 9583.17,4375.17 9609,4401 9844,4401
  region net NetD4_MOSFET_HighPower2_2: 6280,4543 6280,4103 6295,4088 6705,4088 6720,4103 6720,4543 6710,4553 6290,4553

## Silkscreen, mask and mechanical layers (free items; w line width, h text height)
Top Overlay:
  text "Actuator Control" at 8977,3489 h100
  text "v3.0." at 9321,3396 h100
  text "BOARD" at 8978,3394 h100
  text "62" at 7405,2795 h60
  text "63" at 7405,2695 h60
  text "64" at 7405,2595 h60
  text "6" at 7430,2500 h60
  text "14" at 7410,1950 h60
  text "15" at 7410,1845 h60
  text "RX" at 8925,1760 h100
  text "16" at 7410,1745 h60
  text "22" at 7765,1740 h60
  text "21" at 7410,1640 h60
  text "23" at 7765,1635 h60
  text "24" at 7765,1535 h60
  text "27" at 7765,1435 h60
  text "TX" at 8925,1435 h100
Bottom Overlay:
  text "MemristorRobotics.com" at 8828,2358 h100